# KiCad board oibus-mini-CCC_PANEL.kicad_pcb (continued)
## Routing (per net, layer and track width the routed paths; a pad name or vN(x,y) marks a point on that pad's centre or on a via; arc(x,y) is an arc through that point) (continued)
  Bottom w0.2: v2(58.17,49.64) 59.8,48.01 v2(59.8,48.01) ; v2(95.17,49.64) 96.8,48.01 v2(96.8,48.01) ; v2(132.17,49.64) 133.8,48.01 v2(133.8,48.01) ; v2(206.17,49.64) 207.8,48.01 v2(207.8,48.01) ; v2(169.17,49.64) 170.8,48.01 v2(170.8,48.01) ; v2(280.17,49.64) 281.8,48.01 v2(281.8,48.01) ; v2(243.17,49.64) 244.8,48.01 v2(244.8,48.01) ; v2(21.17,115.64) 22.8,114.01 v2(22.8,114.01) ; v2(132.17,115.64) 133.8,114.01 v2(133.8,114.01) ; v2(95.17,115.64) 96.8,114.01 v2(96.8,114.01) ; v2(58.17,115.64) 59.8,114.01 v2(59.8,114.01) ; v2(206.17,115.64) 207.8,114.01 v2(207.8,114.01) ; v2(169.17,115.64) 170.8,114.01 v2(170.8,114.01) ; v2(280.17,115.64) 281.8,114.01 v2(281.8,114.01) ; v2(243.17,115.64) 244.8,114.01 v2(244.8,114.01) ; v2(21.17,247.64) 22.8,246.01 v2(22.8,246.01) ; v2(58.17,247.64) 59.8,246.01 v2(59.8,246.01) ; v2(95.17,247.64) 96.8,246.01 v2(96.8,246.01) ; v2(132.17,247.64) 133.8,246.01 v2(133.8,246.01) ; v2(206.17,247.64) 207.8,246.01 v2(207.8,246.01) ; v2(21.17,181.64) 22.8,180.01 v2(22.8,180.01) ; v2(132.17,181.64) 133.8,180.01 v2(133.8,180.01) ; v2(95.17,181.64) 96.8,180.01 v2(96.8,180.01) ; v2(58.17,181.64) 59.8,180.01 v2(59.8,180.01) ; v2(206.17,181.64) 207.8,180.01 v2(207.8,180.01) ; v2(169.17,181.64) 170.8,180.01 v2(170.8,180.01) ; v2(280.17,181.64) 281.8,180.01 v2(281.8,180.01) ; v2(243.17,181.64) 244.8,180.01 v2(244.8,180.01) ; v2(169.17,247.64) 170.8,246.01 v2(170.8,246.01) ; v2(280.17,247.64) 281.8,246.01 v2(281.8,246.01) ; v2(243.17,247.64) 244.8,246.01 v2(244.8,246.01) ; v2(21.17,49.64) 22.8,48.01 v2(22.8,48.01)
NINA_DSR: length 817.3
  Top w0.2: 60.67,58.01 59.9,58.01 59,57.11 59,54.3 56.8,52.1 v2(56.8,51.01) ; v2(56.62,49.33) 56.92,49.03 57.1,49.03 58,48.13 58,47.08 59.28,45.81 63.45,45.81 64.89,44.37 U8#2.15 ; 97.67,58.01 96.9,58.01 96,57.11 96,54.3 93.8,52.1 v2(93.8,51.01) ; v2(93.62,49.33) 93.92,49.03 94.1,49.03 95,48.13 95,47.08 96.28,45.81 100.45,45.81 101.89,44.37 U8#4.15 ; 134.68,58.01 133.9,58.01 133,57.11 133,54.3 130.8,52.1 v2(130.8,51.01) ; v2(130.62,49.33) 130.92,49.03 131.1,49.03 132,48.13 132,47.08 133.28,45.81 137.45,45.81 138.89,44.37 U8#3.15 ; 208.68,58.01 207.9,58.01 207,57.11 207,54.3 204.8,52.1 v2(204.8,51.01) ; v2(204.62,49.33) 204.92,49.03 205.1,49.03 206,48.13 206,47.08 207.28,45.81 211.45,45.81 212.89,44.37 U8#5.15 ; 171.68,58.01 170.9,58.01 170,57.11 170,54.3 167.8,52.1 v2(167.8,51.01) ; v2(167.62,49.33) 167.92,49.03 168.1,49.03 169,48.13 169,47.08 170.28,45.81 174.45,45.81 175.89,44.37 U8#6.15 ; 282.68,58.01 281.9,58.01 281,57.11 281,54.3 278.8,52.1 v2(278.8,51.01) ; v2(278.62,49.33) 278.92,49.03 279.1,49.03 280,48.13 280,47.08 281.28,45.81 285.45,45.81 286.89,44.37 U8#8.15 ; U8#7.15 249.89,44.37 248.45,45.81 244.28,45.81 243,47.08 243,48.13 242.1,49.03 241.92,49.03 v2(241.62,49.33) ; 245.68,58.01 244.9,58.01 244,57.11 244,54.3 241.8,52.1 v2(241.8,51.01) ; 23.68,124.01 22.9,124.01 22,123.11 22,120.3 19.8,118.1 v2(19.8,117.01) ; v2(19.62,115.33) 19.92,115.03 20.1,115.03 21,114.13 21,113.08 22.28,111.81 26.45,111.81 27.89,110.37 U8#11.15 ; 134.68,124.01 133.9,124.01 133,123.11 133,120.3 130.8,118.1 v2(130.8,117.01) ; v2(130.62,115.33) 130.92,115.03 131.1,115.03 132,114.13 132,113.08 133.28,111.81 137.45,111.81 138.89,110.37 U8#10.15 ; 60.67,124.01 59.9,124.01 59,123.11 59,120.3 56.8,118.1 v2(56.8,117.01) ; v2(56.62,115.33) 56.92,115.03 57.1,115.03 58,114.13 58,113.08 59.28,111.81 63.45,111.81 64.89,110.37 U8#9.15 ; 97.67,124.01 96.9,124.01 96,123.11 96,120.3 93.8,118.1 v2(93.8,117.01) ; v2(93.62,115.33) 93.92,115.03 94.1,115.03 95,114.13 95,113.08 96.28,111.81 100.45,111.81 101.89,110.37 U8#13.15 ; 208.68,124.01 207.9,124.01 207,123.11 207,120.3 204.8,118.1 v2(204.8,117.01) ; v2(204.62,115.33) 204.92,115.03 205.1,115.03 206,114.13 206,113.08 207.28,111.81 211.45,111.81 212.89,110.37 U8#14.15 ; U8#12.15 175.89,110.37 174.45,111.81 170.28,111.81 169,113.08 169,114.13 168.1,115.03 167.92,115.03 v2(167.62,115.33) ; 171.68,124.01 170.9,124.01 170,123.11 170,120.3 167.8,118.1 v2(167.8,117.01) ; 282.68,124.01 281.9,124.01 281,123.11 281,120.3 278.8,118.1 v2(278.8,117.01) ; v2(278.62,115.33) 278.92,115.03 279.1,115.03 280,114.13 280,113.08 281.28,111.81 285.45,111.81 286.89,110.37 U8#16.15 ; 245.68,124.01 244.9,124.01 244,123.11 244,120.3 241.8,118.1 v2(241.8,117.01) ; v2(241.62,115.33) 241.92,115.03 242.1,115.03 243,114.13 243,113.08 244.28,111.81 248.45,111.81 249.89,110.37 U8#15.15 ; v2(19.62,247.33) 19.92,247.03 20.1,247.03 21,246.13 21,245.08 22.28,243.81 26.45,243.81 27.89,242.37 U8#25.15 ; 23.68,256.01 22.9,256.01 22,255.11 22,252.3 19.8,250.1 v2(19.8,249.01) ; 60.67,256.01 59.9,256.01 59,255.11 59,252.3 56.8,250.1 v2(56.8,249.01) ; v2(56.62,247.33) 56.92,247.03 57.1,247.03 58,246.13 58,245.08 59.28,243.81 63.45,243.81 64.89,242.37 U8#21.15 ; 134.68,256.01 133.9,256.01 133,255.11 133,252.3 130.8,250.1 v2(130.8,249.01) ; v2(130.62,247.33) 130.92,247.03 131.1,247.03 132,246.13 132,245.08 133.28,243.81 137.45,243.81 138.89,242.37 U8#24.15 ; 97.67,256.01 96.9,256.01 96,255.11 96,252.3 93.8,250.1 v2(93.8,249.01) ; v2(93.62,247.33) 93.92,247.03 94.1,247.03 95,246.13 95,245.08 96.28,243.81 100.45,243.81 101.89,242.37 U8#29.15 ; 208.68,256.01 207.9,256.01 207,255.11 207,252.3 204.8,250.1 v2(204.8,249.01) ; v2(204.62,247.33) 204.92,247.03 205.1,247.03 206,246.13 206,245.08 207.28,243.81 211.45,243.81 212.89,242.37 U8#30.15 ; 23.68,190.01 22.9,190.01 22,189.11 22,186.3 19.8,184.1 v2(19.8,183.01) ; v2(19.62,181.33) 19.92,181.03 20.1,181.03 21,180.13 21,179.08 22.28,177.81 26.45,177.81 27.89,176.37 U8#19.15 ; 134.68,190.01 133.9,190.01 133,189.11 133,186.3 130.8,184.1 v2(130.8,183.01) ; v2(130.62,181.33) 130.92,181.03 131.1,181.03 132,180.13 132,179.08 133.28,177.81 137.45,177.81 138.89,176.37 U8#18.15 ; 60.67,190.01 59.9,190.01 59,189.11 59,186.3 56.8,184.1 v2(56.8,183.01) ; v2(56.62,181.33) 56.92,181.03 57.1,181.03 58,180.13 58,179.08 59.28,177.81 63.45,177.81 64.89,176.37 U8#17.15 ; 97.67,190.01 96.9,190.01 96,189.11 96,186.3 93.8,184.1 v2(93.8,183.01) ; v2(93.62,181.33) 93.92,181.03 94.1,181.03 95,180.13 95,179.08 96.28,177.81 100.45,177.81 101.89,176.37 U8#22.15 ; 208.68,190.01 207.9,190.01 207,189.11 207,186.3 204.8,184.1 v2(204.8,183.01) ; v2(204.62,181.33) 204.92,181.03 205.1,181.03 206,180.13 206,179.08 207.28,177.81 211.45,177.81 212.89,176.37 U8#23.15 ; U8#20.15 175.89,176.37 174.45,177.81 170.28,177.81 169,179.08 169,180.13 168.1,181.03 167.92,181.03 v2(167.62,181.33) ; 171.68,190.01 170.9,190.01 170,189.11 170,186.3 167.8,184.1 v2(167.8,183.01) ; 282.68,190.01 281.9,190.01 281,189.11 281,186.3 278.8,184.1 v2(278.8,183.01) ; v2(278.62,181.33) 278.92,181.03 279.1,181.03 280,180.13 280,179.08 281.28,177.81 285.45,177.81 286.89,176.37 U8#27.15 ; 245.68,190.01 244.9,190.01 244,189.11 244,186.3 241.8,184.1 v2(241.8,183.01) ; v2(241.62,181.33) 241.92,181.03 242.1,181.03 243,180.13 243,179.08 244.28,177.81 248.45,177.81 249.89,176.37 U8#26.15 ; 171.68,256.01 170.9,256.01 170,255.11 170,252.3 167.8,250.1 v2(167.8,249.01) ; U8#28.15 175.89,242.37 174.45,243.81 170.28,243.81 169,245.08 169,246.13 168.1,247.03 167.92,247.03 v2(167.62,247.33) ; v2(278.8,249.01) 278.8,250.1 281,252.3 281,255.11 281.9,256.01 282.68,256.01 ; v2(278.62,247.33) 278.92,247.03 279.1,247.03 280,246.13 280,245.08 281.28,243.81 285.45,243.81 286.89,242.37 U8#32.15 ; U8#31.15 249.89,242.37 248.45,243.81 244.28,243.81 243,245.08 243,246.13 242.1,247.03 241.92,247.03 v2(241.62,247.33) ; 245.68,256.01 244.9,256.01 244,255.11 244,252.3 241.8,250.1 v2(241.8,249.01) ; 23.68,58.01 22.9,58.01 22,57.11 22,54.3 19.8,52.1 v2(19.8,51.01) ; U8.15 27.89,44.37 26.45,45.81 22.28,45.81 21,47.08 21,48.13 20.1,49.03 19.92,49.03 v2(19.62,49.33)
  Bottom w0.2: v2(56.8,51.01) 56.5,50.71 56.5,49.46 v2(56.62,49.33) ; v2(93.8,51.01) 93.5,50.71 93.5,49.46 v2(93.62,49.33) ; v2(130.8,51.01) 130.5,50.71 130.5,49.46 v2(130.62,49.33) ; v2(204.8,51.01) 204.5,50.71 204.5,49.46 v2(204.62,49.33) ; v2(167.8,51.01) 167.5,50.71 167.5,49.46 v2(167.62,49.33) ; v2(278.8,51.01) 278.5,50.71 278.5,49.46 v2(278.62,49.33) ; v2(241.8,51.01) 241.5,50.71 241.5,49.46 v2(241.62,49.33) ; v2(19.8,117.01) 19.5,116.71 19.5,115.46 v2(19.62,115.33) ; v2(130.8,117.01) 130.5,116.71 130.5,115.46 v2(130.62,115.33) ; v2(56.8,117.01) 56.5,116.71 56.5,115.46 v2(56.62,115.33) ; v2(93.8,117.01) 93.5,116.71 93.5,115.46 v2(93.62,115.33) ; v2(204.8,117.01) 204.5,116.71 204.5,115.46 v2(204.62,115.33) ; v2(167.8,117.01) 167.5,116.71 167.5,115.46 v2(167.62,115.33) ; v2(278.8,117.01) 278.5,116.71 278.5,115.46 v2(278.62,115.33) ; v2(241.8,117.01) 241.5,116.71 241.5,115.46 v2(241.62,115.33) ; v2(19.8,249.01) 19.5,248.71 19.5,247.46 v2(19.62,247.33) ; v2(56.8,249.01) 56.5,248.71 56.5,247.46 v2(56.62,247.33) ; v2(130.8,249.01) 130.5,248.71 130.5,247.46 v2(130.62,247.33) ; v2(93.8,249.01) 93.5,248.71 93.5,247.46 v2(93.62,247.33) ; v2(204.8,249.01) 204.5,248.71 204.5,247.46 v2(204.62,247.33) ; v2(19.8,183.01) 19.5,182.71 19.5,181.46 v2(19.62,181.33) ; v2(130.8,183.01) 130.5,182.71 130.5,181.46 v2(130.62,181.33) ; v2(56.8,183.01) 56.5,182.71 56.5,181.46 v2(56.62,181.33) ; v2(93.8,183.01) 93.5,182.71 93.5,181.46 v2(93.62,181.33) ; v2(204.8,183.01) 204.5,182.71 204.5,181.46 v2(204.62,181.33) ; v2(167.8,183.01) 167.5,182.71 167.5,181.46 v2(167.62,181.33) ; v2(278.8,183.01) 278.5,182.71 278.5,181.46 v2(278.62,181.33) ; v2(241.8,183.01) 241.5,182.71 241.5,181.46 v2(241.62,181.33) ; v2(167.8,249.01) 167.5,248.71 167.5,247.46 v2(167.62,247.33) ; v2(278.8,249.01) 278.5,248.71 278.5,247.46 v2(278.62,247.33) ; v2(241.8,249.01) 241.5,248.71 241.5,247.46 v2(241.62,247.33) ; v2(19.62,49.33) 19.5,49.46 19.5,50.71 v2(19.8,51.01)
NINA_DTR: length 864.3
  Top w0.2: 60.67,59.01 59.9,59.01 58.6,57.71 58.6,54.46 56.2,52.06 56.2,50.61 58.3,48.51 58.3,48.39 58.4,48.29 58.4,47.31 59.5,46.21 63.87,46.21 65.39,44.68 U8#2.14 ; 97.67,59.01 96.9,59.01 95.6,57.71 95.6,54.46 93.2,52.06 93.2,50.61 95.3,48.51 95.3,48.39 95.4,48.29 95.4,47.31 96.5,46.21 100.87,46.21 102.39,44.68 U8#4.14 ; 134.68,59.01 133.9,59.01 132.6,57.71 132.6,54.46 130.2,52.06 130.2,50.61 132.3,48.51 132.3,48.39 132.4,48.29 132.4,47.31 133.5,46.21 137.87,46.21 139.39,44.68 U8#3.14 ; 208.68,59.01 207.9,59.01 206.6,57.71 206.6,54.46 204.2,52.06 204.2,50.61 206.3,48.51 206.3,48.39 206.4,48.29 206.4,47.31 207.5,46.21 211.87,46.21 213.39,44.68 U8#5.14 ; 171.68,59.01 170.9,59.01 169.6,57.71 169.6,54.46 167.2,52.06 167.2,50.61 169.3,48.51 169.3,48.39 169.4,48.29 169.4,47.31 170.5,46.21 174.87,46.21 176.39,44.68 U8#6.14 ; 282.68,59.01 281.9,59.01 280.6,57.71 280.6,54.46 278.2,52.06 278.2,50.61 280.3,48.51 280.3,48.39 280.4,48.29 280.4,47.31 281.5,46.21 285.87,46.21 287.39,44.68 U8#8.14 ; 245.68,59.01 244.9,59.01 243.6,57.71 243.6,54.46 241.2,52.06 241.2,50.61 243.3,48.51 243.3,48.39 243.4,48.29 243.4,47.31 244.5,46.21 248.87,46.21 250.39,44.68 U8#7.14 ; 23.68,125.01 22.9,125.01 21.6,123.71 21.6,120.46 19.2,118.06 19.2,116.61 21.3,114.51 21.3,114.39 21.4,114.29 21.4,113.31 22.5,112.21 26.87,112.21 28.39,110.68 U8#11.14 ; 134.68,125.01 133.9,125.01 132.6,123.71 132.6,120.46 130.2,118.06 130.2,116.61 132.3,114.51 132.3,114.39 132.4,114.29 132.4,113.31 133.5,112.21 137.87,112.21 139.39,110.68 U8#10.14 ; 60.67,125.01 59.9,125.01 58.6,123.71 58.6,120.46 56.2,118.06 56.2,116.61 58.3,114.51 58.3,114.39 58.4,114.29 58.4,113.31 59.5,112.21 63.87,112.21 65.39,110.68 U8#9.14 ; 97.67,125.01 96.9,125.01 95.6,123.71 95.6,120.46 93.2,118.06 93.2,116.61 95.3,114.51 95.3,114.39 95.4,114.29 95.4,113.31 96.5,112.21 100.87,112.21 102.39,110.68 U8#13.14 ; 208.68,125.01 207.9,125.01 206.6,123.71 206.6,120.46 204.2,118.06 204.2,116.61 206.3,114.51 206.3,114.39 206.4,114.29 206.4,113.31 207.5,112.21 211.87,112.21 213.39,110.68 U8#14.14 ; 171.68,125.01 170.9,125.01 169.6,123.71 169.6,120.46 167.2,118.06 167.2,116.61 169.3,114.51 169.3,114.39 169.4,114.29 169.4,113.31 170.5,112.21 174.87,112.21 176.39,110.68 U8#12.14 ; 282.68,125.01 281.9,125.01 280.6,123.71 280.6,120.46 278.2,118.06 278.2,116.61 280.3,114.51 280.3,114.39 280.4,114.29 280.4,113.31 281.5,112.21 285.87,112.21 287.39,110.68 U8#16.14 ; 245.68,125.01 244.9,125.01 243.6,123.71 243.6,120.46 241.2,118.06 241.2,116.61 243.3,114.51 243.3,114.39 243.4,114.29 243.4,113.31 244.5,112.21 248.87,112.21 250.39,110.68 U8#15.14 ; 23.68,257.01 22.9,257.01 21.6,255.71 21.6,252.46 19.2,250.06 19.2,248.61 21.3,246.51 21.3,246.39 21.4,246.29 21.4,245.31 22.5,244.21 26.87,244.21 28.39,242.68 U8#25.14 ; 60.67,257.01 59.9,257.01 58.6,255.71 58.6,252.46 56.2,250.06 56.2,248.61 58.3,246.51 58.3,246.39 58.4,246.29 58.4,245.31 59.5,244.21 63.87,244.21 65.39,242.68 U8#21.14 ; 134.68,257.01 133.9,257.01 132.6,255.71 132.6,252.46 130.2,250.06 130.2,248.61 132.3,246.51 132.3,246.39 132.4,246.29 132.4,245.31 133.5,244.21 137.87,244.21 139.39,242.68 U8#24.14 ; U8#29.14 102.39,242.68 100.87,244.21 96.5,244.21 95.4,245.31 95.4,246.29 95.3,246.39 95.3,246.51 93.2,248.61 93.2,250.06 95.6,252.46 95.6,255.71 96.9,257.01 97.67,257.01 ; 208.68,257.01 207.9,257.01 206.6,255.71 206.6,252.46 204.2,250.06 204.2,248.61 206.3,246.51 206.3,246.39 206.4,246.29 206.4,245.31 207.5,244.21 211.87,244.21 213.39,242.68 U8#30.14 ; 23.68,191.01 22.9,191.01 21.6,189.71 21.6,186.46 19.2,184.06 19.2,182.61 21.3,180.51 21.3,180.39 21.4,180.29 21.4,179.31 22.5,178.21 26.87,178.21 28.39,176.68 U8#19.14 ; 134.68,191.01 133.9,191.01 132.6,189.71 132.6,186.46 130.2,184.06 130.2,182.61 132.3,180.51 132.3,180.39 132.4,180.29 132.4,179.31 133.5,178.21 137.87,178.21 139.39,176.68 U8#18.14 ; 60.67,191.01 59.9,191.01 58.6,189.71 58.6,186.46 56.2,184.06 56.2,182.61 58.3,180.51 58.3,180.39 58.4,180.29 58.4,179.31 59.5,178.21 63.87,178.21 65.39,176.68 U8#17.14 ; 97.67,191.01 96.9,191.01 95.6,189.71 95.6,186.46 93.2,184.06 93.2,182.61 95.3,180.51 95.3,180.39 95.4,180.29 95.4,179.31 96.5,178.21 100.87,178.21 102.39,176.68 U8#22.14 ; 208.68,191.01 207.9,191.01 206.6,189.71 206.6,186.46 204.2,184.06 204.2,182.61 206.3,180.51 206.3,180.39 206.4,180.29 206.4,179.31 207.5,178.21 211.87,178.21 213.39,176.68 U8#23.14 ; 171.68,191.01 170.9,191.01 169.6,189.71 169.6,186.46 167.2,184.06 167.2,182.61 169.3,180.51 169.3,180.39 169.4,180.29 169.4,179.31 170.5,178.21 174.87,178.21 176.39,176.68 U8#20.14 ; 282.68,191.01 281.9,191.01 280.6,189.71 280.6,186.46 278.2,184.06 278.2,182.61 280.3,180.51 280.3,180.39 280.4,180.29 280.4,179.31 281.5,178.21 285.87,178.21 287.39,176.68 U8#27.14 ; 245.68,191.01 244.9,191.01 243.6,189.71 243.6,186.46 241.2,184.06 241.2,182.61 243.3,180.51 243.3,180.39 243.4,180.29 243.4,179.31 244.5,178.21 248.87,178.21 250.39,176.68 U8#26.14 ; 171.68,257.01 170.9,257.01 169.6,255.71 169.6,252.46 167.2,250.06 167.2,248.61 169.3,246.51 169.3,246.39 169.4,246.29 169.4,245.31 170.5,244.21 174.87,244.21 176.39,242.68 U8#28.14 ; 282.68,257.01 281.9,257.01 280.6,255.71 280.6,252.46 278.2,250.06 278.2,248.61 280.3,246.51 280.3,246.39 280.4,246.29 280.4,245.31 281.5,244.21 285.87,244.21 287.39,242.68 U8#32.14 ; 245.68,257.01 244.9,257.01 243.6,255.71 243.6,252.46 241.2,250.06 241.2,248.61 243.3,246.51 243.3,246.39 243.4,246.29 243.4,245.31 244.5,244.21 248.87,244.21 250.39,242.68 U8#31.14 ; 23.68,59.01 22.9,59.01 21.6,57.71 21.6,54.46 19.2,52.06 19.2,50.61 21.3,48.51 21.3,48.39 21.4,48.29 21.4,47.31 22.5,46.21 26.87,46.21 28.39,44.68 U8.14
NINA_RTS: length 908.4
  Top w0.2: U8#2.10 68.14,38.26 68.8,38.92 68.8,42.11 68.37,42.53 68.37,47.15 67.62,47.91 60.79,47.91 59.78,48.91 v2(59.78,49.98) ; U3#2.20 60.1,55.01 59.8,54.71 59.8,53.96 58,52.16 v2(58,51.07) ; U8#4.10 105.14,38.26 105.8,38.92 105.8,42.11 105.37,42.53 105.37,47.15 104.62,47.91 97.79,47.91 96.78,48.91 v2(96.78,49.98) ; U3#3.20 97.1,55.01 96.8,54.71 96.8,53.96 95,52.16 v2(95,51.07) ; U8#3.10 142.14,38.26 142.8,38.92 142.8,42.11 142.37,42.53 142.37,47.15 141.62,47.91 134.79,47.91 133.78,48.91 v2(133.78,49.98) ; U3#4.20 134.1,55.01 133.8,54.71 133.8,53.96 132,52.16 v2(132,51.07) ; U8#5.10 216.14,38.26 216.8,38.92 216.8,42.11 216.37,42.53 216.37,47.15 215.62,47.91 208.79,47.91 207.78,48.91 v2(207.78,49.98) ; U8#6.10 179.14,38.26 179.8,38.92 179.8,42.11 179.37,42.53 179.37,47.15 178.62,47.91 171.79,47.91 170.78,48.91 v2(170.78,49.98) ; U3#6.20 171.1,55.01 170.8,54.71 170.8,53.96 169,52.16 v2(169,51.07) ; U3#5.20 208.1,55.01 207.8,54.71 207.8,53.96 206,52.16 v2(206,51.07) ; U8#7.10 253.14,38.26 253.8,38.92 253.8,42.11 253.37,42.53 253.37,47.15 252.62,47.91 245.79,47.91 244.78,48.91 v2(244.78,49.98) ; U8#8.10 290.14,38.26 290.8,38.92 290.8,42.11 290.37,42.53 290.37,47.15 289.62,47.91 282.79,47.91 281.78,48.91 v2(281.78,49.98) ; U3#8.20 245.1,55.01 244.8,54.71 244.8,53.96 243,52.16 v2(243,51.07) ; U3#7.20 282.1,55.01 281.8,54.71 281.8,53.96 280,52.16 v2(280,51.07) ; U8#11.10 31.14,104.26 31.8,104.92 31.8,108.11 31.37,108.53 31.37,113.15 30.62,113.91 23.79,113.91 22.78,114.91 v2(22.78,115.98) ; U3#9.20 23.1,121.01 22.8,120.71 22.8,119.96 21,118.16 v2(21,117.07) ; U8#10.10 142.14,104.26 142.8,104.92 142.8,108.11 142.37,108.53 142.37,113.15 141.62,113.91 134.79,113.91 133.78,114.91 v2(133.78,115.98) ; U8#13.10 105.14,104.26 105.8,104.92 105.8,108.11 105.37,108.53 105.37,113.15 104.62,113.91 97.79,113.91 96.78,114.91 v2(96.78,115.98) ; U8#9.10 68.14,104.26 68.8,104.92 68.8,108.11 68.37,108.53 68.37,113.15 67.62,113.91 60.79,113.91 59.78,114.91 v2(59.78,115.98) ; U3#11.20 97.1,121.01 96.8,120.71 96.8,119.96 95,118.16 v2(95,117.07) ; U3#12.20 60.1,121.01 59.8,120.71 59.8,119.96 58,118.16 v2(58,117.07) ; U3#10.20 134.1,121.01 133.8,120.71 133.8,119.96 132,118.16 v2(132,117.07) ; U8#12.10 179.14,104.26 179.8,104.92 179.8,108.11 179.37,108.53 179.37,113.15 178.62,113.91 171.79,113.91 170.78,114.91 v2(170.78,115.98) ; U8#14.10 216.14,104.26 216.8,104.92 216.8,108.11 216.37,108.53 216.37,113.15 215.62,113.91 208.79,113.91 207.78,114.91 v2(207.78,115.98) ; U3#14.20 171.1,121.01 170.8,120.71 170.8,119.96 169,118.16 v2(169,117.07) ; U3#13.20 208.1,121.01 207.8,120.71 207.8,119.96 206,118.16 v2(206,117.07) ; U8#16.10 290.14,104.26 290.8,104.92 290.8,108.11 290.37,108.53 290.37,113.15 289.62,113.91 282.79,113.91 281.78,114.91 v2(281.78,115.98) ; U8#15.10 253.14,104.26 253.8,104.92 253.8,108.11 253.37,108.53 253.37,113.15 252.62,113.91 245.79,113.91 244.78,114.91 v2(244.78,115.98) ; U3#15.20 282.1,121.01 281.8,120.71 281.8,119.96 280,118.16 v2(280,117.07) ; U3#16.20 245.1,121.01 244.8,120.71 244.8,119.96 243,118.16 v2(243,117.07) ; U3#23.20 23.1,253.01 22.8,252.71 22.8,251.96 21,250.16 v2(21,249.07) ; v2(22.78,247.98) 22.78,246.91 23.79,245.91 30.62,245.91 31.37,245.15 31.37,240.53 31.8,240.11 31.8,236.92 31.14,236.26 U8#25.10 ; U8#21.10 68.14,236.26 68.8,236.92 68.8,240.11 68.37,240.53 68.37,245.15 67.62,245.91 60.79,245.91 59.78,246.91 v2(59.78,247.98) ; U8#29.10 105.14,236.26 105.8,236.92 105.8,240.11 105.37,240.53 105.37,245.15 104.62,245.91 97.79,245.91 96.78,246.91 v2(96.78,247.98) ; U8#24.10 142.14,236.26 142.8,236.92 142.8,240.11 142.37,240.53 142.37,245.15 141.62,245.91 134.79,245.91 133.78,246.91 v2(133.78,247.98) ; U3#27.20 97.1,253.01 96.8,252.71 96.8,251.96 95,250.16 v2(95,249.07) ; U3#28.20 60.1,253.01 59.8,252.71 59.8,251.96 58,250.16 v2(58,249.07) ; U8#30.10 216.14,236.26 216.8,236.92 216.8,240.11 216.37,240.53 216.37,245.15 215.62,245.91 208.79,245.91 207.78,246.91 v2(207.78,247.98) ; U8#28.10 179.14,236.26 179.8,236.92 179.8,240.11 179.37,240.53 179.37,245.15 178.62,245.91 171.79,245.91 170.78,246.91 v2(170.78,247.98) ; U3#26.20 134.1,253.01 133.8,252.71 133.8,251.96 132,250.16 v2(132,249.07) ; U8#19.10 31.14,170.26 31.8,170.92 31.8,174.11 31.37,174.53 31.37,179.15 30.62,179.91 23.79,179.91 22.78,180.91 v2(22.78,181.98) ; U3#17.20 23.1,187.01 22.8,186.71 22.8,185.96 21,184.16 v2(21,183.07) ; U8#18.10 142.14,170.26 142.8,170.92 142.8,174.11 142.37,174.53 142.37,179.15 141.62,179.91 134.79,179.91 133.78,180.91 v2(133.78,181.98) ; U8#22.10 105.14,170.26 105.8,170.92 105.8,174.11 105.37,174.53 105.37,179.15 104.62,179.91 97.79,179.91 96.78,180.91 v2(96.78,181.98) ; U8#17.10 68.14,170.26 68.8,170.92 68.8,174.11 68.37,174.53 68.37,179.15 67.62,179.91 60.79,179.91 59.78,180.91 v2(59.78,181.98) ; U3#19.20 97.1,187.01 96.8,186.71 96.8,185.96 95,184.16 v2(95,183.07) ; U3#20.20 60.1,187.01 59.8,186.71 59.8,185.96 58,184.16 v2(58,183.07) ; U3#18.20 134.1,187.01 133.8,186.71 133.8,185.96 132,184.16 v2(132,183.07) ; U8#20.10 179.14,170.26 179.8,170.92 179.8,174.11 179.37,174.53 179.37,179.15 178.62,179.91 171.79,179.91 170.78,180.91 v2(170.78,181.98) ; U8#23.10 216.14,170.26 216.8,170.92 216.8,174.11 216.37,174.53 216.37,179.15 215.62,179.91 208.79,179.91 207.78,180.91 v2(207.78,181.98) ; U3#22.20 171.1,187.01 170.8,186.71 170.8,185.96 169,184.16 v2(169,183.07) ; U3#21.20 208.1,187.01 207.8,186.71 207.8,185.96 206,184.16 v2(206,183.07) ; U8#27.10 290.14,170.26 290.8,170.92 290.8,174.11 290.37,174.53 290.37,179.15 289.62,179.91 282.79,179.91 281.78,180.91 v2(281.78,181.98) ; U8#26.10 253.14,170.26 253.8,170.92 253.8,174.11 253.37,174.53 253.37,179.15 252.62,179.91 245.79,179.91 244.78,180.91 v2(244.78,181.98) ; U3#24.20 282.1,187.01 281.8,186.71 281.8,185.96 280,184.16 v2(280,183.07) ; U3#25.20 245.1,187.01 244.8,186.71 244.8,185.96 243,184.16 v2(243,183.07) ; U3#30.20 171.1,253.01 170.8,252.71 170.8,251.96 169,250.16 v2(169,249.07) ; U3#29.20 208.1,253.01 207.8,252.71 207.8,251.96 206,250.16 v2(206,249.07) ; U8#32.10 290.14,236.26 290.8,236.92 290.8,240.11 290.37,240.53 290.37,245.15 289.62,245.91 282.79,245.91 281.78,246.91 v2(281.78,247.98) ; U8#31.10 253.14,236.26 253.8,236.92 253.8,240.11 253.37,240.53 253.37,245.15 252.62,245.91 245.79,245.91 244.78,246.91 v2(244.78,247.98) ; U3#32.20 245.1,253.01 244.8,252.71 244.8,251.96 243,250.16 v2(243,249.07) ; U3#31.20 282.1,253.01 281.8,252.71 281.8,251.96 280,250.16 v2(280,249.07) ; v2(21,51.07) 21,52.16 22.8,53.96 22.8,54.71 23.1,55.01 U3.20 ; U8.10 31.14,38.26 31.8,38.92 31.8,42.11 31.37,42.53 31.37,47.15 30.62,47.91 23.79,47.91 22.78,48.91 v2(22.78,49.98)
  Bottom w0.2: v2(58,51.07) 59.08,49.98 v2(59.78,49.98) ; v2(95,51.07) 96.08,49.98 v2(96.78,49.98) ; v2(132,51.07) 133.08,49.98 v2(133.78,49.98) ; v2(169,51.07) 170.08,49.98 v2(170.78,49.98) ; v2(206,51.07) 207.08,49.98 v2(207.78,49.98) ; v2(243,51.07) 244.08,49.98 v2(244.78,49.98) ; v2(280,51.07) 281.08,49.98 v2(281.78,49.98) ; v2(21,117.07) 22.08,115.98 v2(22.78,115.98) ; v2(95,117.07) 96.08,115.98 v2(96.78,115.98) ; v2(58,117.07) 59.08,115.98 v2(59.78,115.98) ; v2(132,117.07) 133.08,115.98 v2(133.78,115.98) ; v2(169,117.07) 170.08,115.98 v2(170.78,115.98) ; v2(206,117.07) 207.08,115.98 v2(207.78,115.98) ; v2(280,117.07) 281.08,115.98 v2(281.78,115.98) ; v2(243,117.07) 244.08,115.98 v2(244.78,115.98) ; v2(21,249.07) 22.08,247.98 v2(22.78,247.98) ; v2(95,249.07) 96.08,247.98 v2(96.78,247.98) ; v2(58,249.07) 59.08,247.98 v2(59.78,247.98) ; v2(132,249.07) 133.08,247.98 v2(133.78,247.98) ; v2(21,183.07) 22.08,181.98 v2(22.78,181.98) ; v2(95,183.07) 96.08,181.98 v2(96.78,181.98) ; v2(58,183.07) 59.08,181.98 v2(59.78,181.98) ; v2(132,183.07) 133.08,181.98 v2(133.78,181.98) ; v2(169,183.07) 170.08,181.98 v2(170.78,181.98) ; v2(206,183.07) 207.08,181.98 v2(207.78,181.98) ; v2(280,183.07) 281.08,181.98 v2(281.78,181.98) ; v2(243,183.07) 244.08,181.98 v2(244.78,181.98) ; v2(169,249.07) 170.08,247.98 v2(170.78,247.98) ; v2(207.78,247.98) 207.08,247.98 v2(206,249.07) ; v2(243,249.07) 244.08,247.98 v2(244.78,247.98) ; v2(280,249.07) 281.08,247.98 v2(281.78,247.98) ; v2(22.78,49.98) 22.08,49.98 v2(21,51.07)
